# Altium PCB sinking-clock_LED-PCB.PcbDoc (part 1 of 2)
Units mil, origin at the board's own origin, x right, y up, seen from the top; angles counter-clockwise.
Board outline 6158.12 x 3267.72 mil, 2 copper layers (Top Layer, Bottom Layer), stack 61.8 mil thick; 145 components, 146 nets, 488 pads, 172 vias.
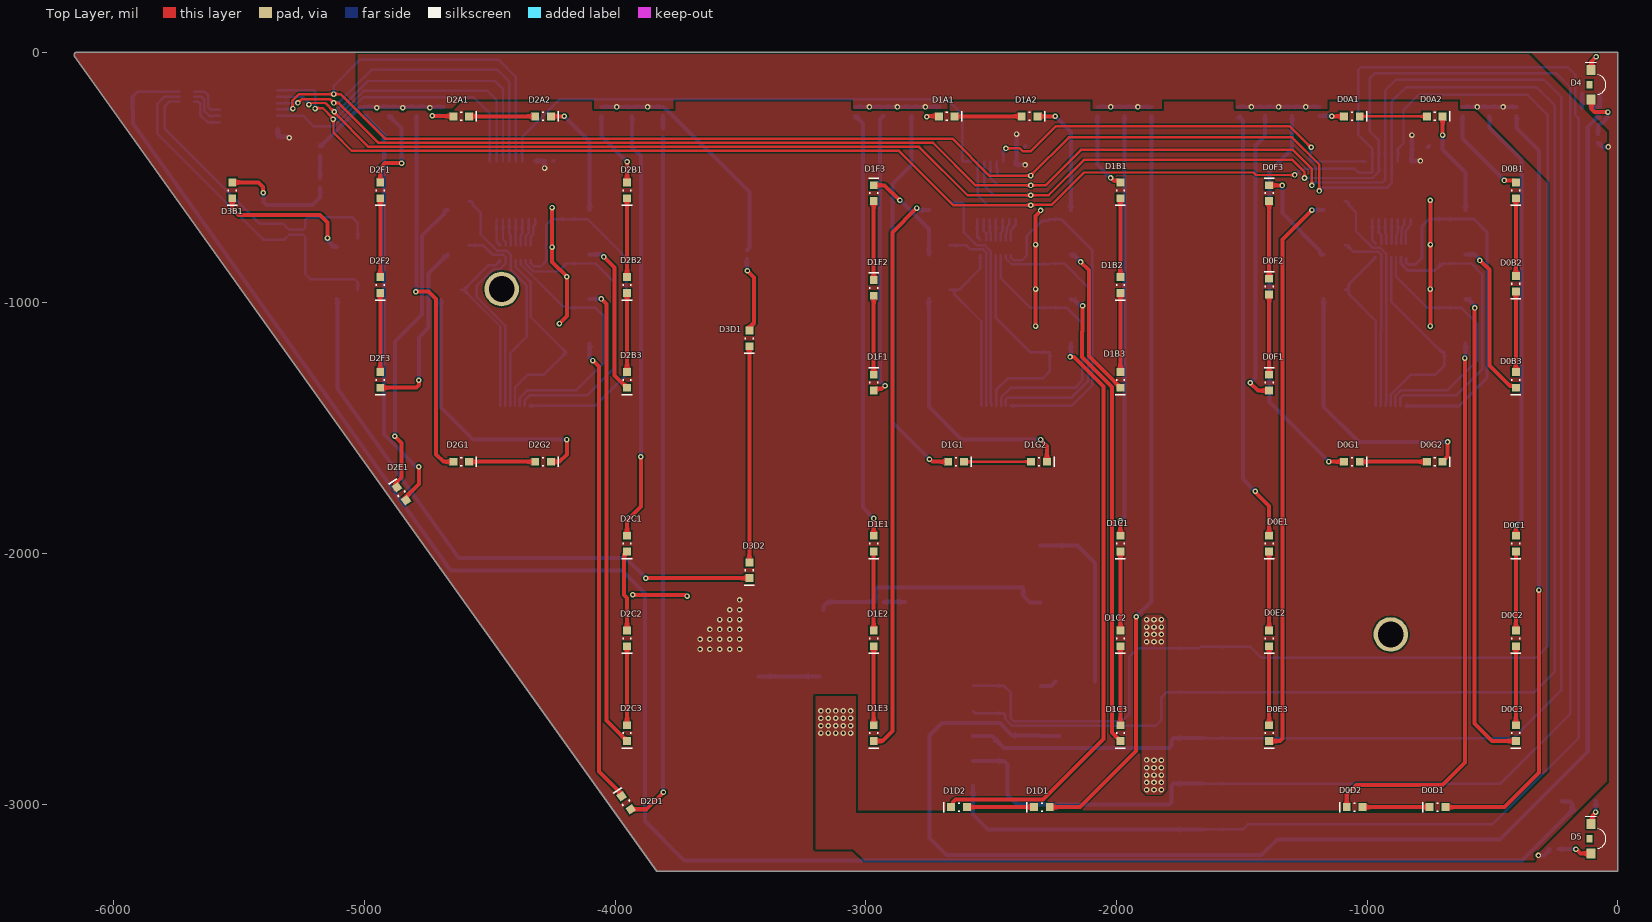
[diagram p0: Top Layer view]
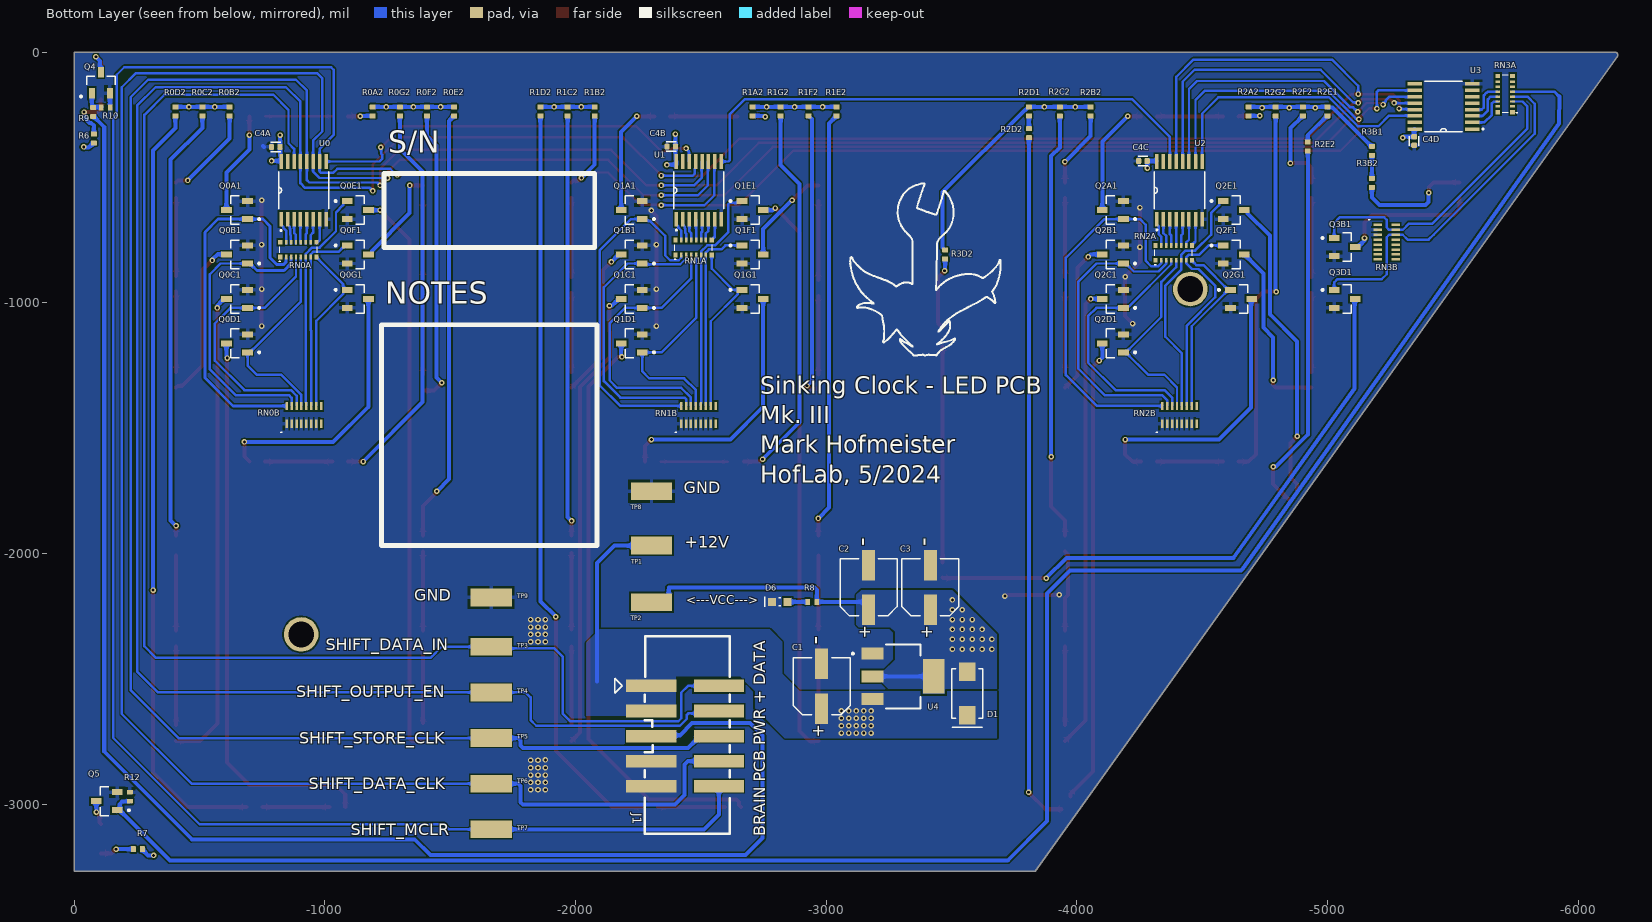
[diagram p1: Bottom Layer view, seen from below]
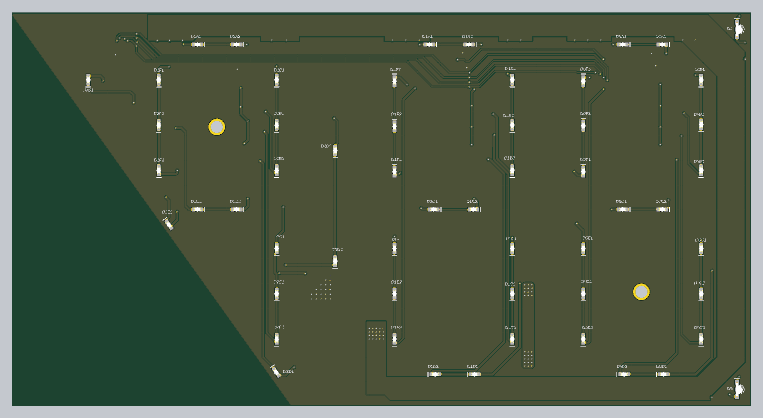
[diagram p3: 3D render of the assembled board from above, using the file's embedded part models]
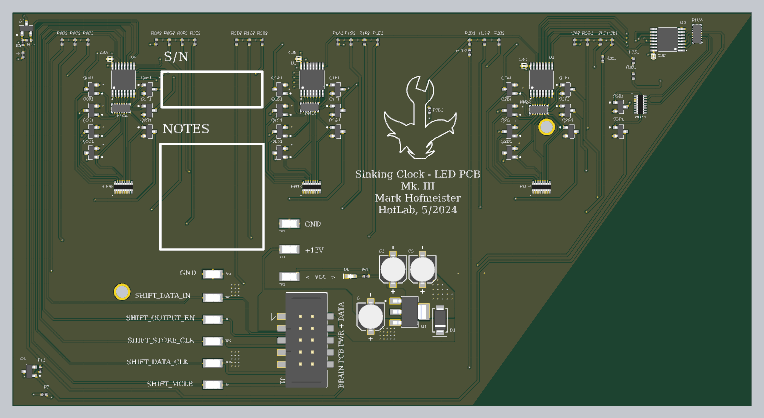
[diagram p4: 3D render of the assembled board from below, using the file's embedded part models]

## Layer stack, top to bottom
Top Solder: solder mask 0.4, Solder Resist, Dk 3.5
Top Layer: signal copper 1.4
Dielectric 1: dielectric 59, FR-4, Dk 4.8
Bottom Layer: signal copper 1.4
Bottom Solder: solder mask 0.4, Solder Resist, Dk 3.5

## Board outline
-3834.65,-3267.72 -6157.48,-15.75 cw(c-6145.67,-11.81) -6149.61,0 0,0 0,-3267.72

## Design rules (kind name [scope] priority, off if disabled: settings)
Clearance "Power Planes" [InNet('+12') vs InNet('VCC')] p1: gap=10 ignorepadtopadclearanceinfootprint=TRUE except(0: Arc-Hole Track-Hole SMDPad-Hole THPad-Hole Via-Hole Fill-Hole Poly-Hole Region-Hole Text-Hole)
Clearance [All] p2: gap=6 ignorepadtopadclearanceinfootprint=FALSE except(0: Arc-Hole Track-Hole SMDPad-Hole THPad-Hole Via-Hole Fill-Hole Poly-Hole Region-Hole Text-Hole)
HoleSize [All] p1: absolutevalues=TRUE maxlimit=106.3 minlimit=6 maxpercent=80.000 minpercent=20.000
MinimumSolderMaskSliver [All] p1: minsoldermaskwidth=0.98
PolygonConnect "Power Section Direct Connect" [InComponentClass('DirectConnect')] p1: connectstyle=Direct reliefconductorwidth=10 reliefentries=4 polygonreliefangle="90 Angle" airgapwidth=10
PolygonConnect "PWR + GND Vias" [IsVia and InNetClass('PWR') vs IsPolygon] p2: connectstyle=Direct reliefconductorwidth=10 reliefentries=4 polygonreliefangle="90 Angle" airgapwidth=10
PolygonConnect [All] p3: connectstyle=Relief reliefconductorwidth=15.75 reliefentries=4 polygonreliefangle="90 Angle" airgapwidth=10
RoomDefinition U_LED-PCB_DIG2 [InComponentClass('U_LED-PCB_DIG2')] p1: confinementstyle=ConfineIn formatcopy=TRUE lockcomponents=FALSE outline -5032.64,-284.61 -5032.64,-187.83 -3776.42,-187.83 -3776.42,-371.42 -3887.18,-371.42 -3887.18,-3071.23 -4027.73,-3071.23 -4027.73,-1838.55 -4923.91,-1838.55 -4923.91,-1379.59 -4973.58,-1379.59 -4973.58,-284.61
RoomDefinition LED-PCB_Master [InComponentClass('LED-PCB_Master')] p2: confinementstyle=ConfineIn formatcopy=TRUE lockcomponents=FALSE outline -3638.49,-2707.06 -3638.49,-2425.06 -3541.85,-2425.06 -3541.85,-1931.19 -3295.79,-1931.19 -2406.65,-1931.19 -2406.65,-1699.65 -184.21,-1699.65 -184.21,-37.64 -141.89,-37.64 -141.89,-27.4 -35.28,-27.4 -35.28,-37.64 -9.69,-37.64 -9.69,-206.46 -35.28,-206.46 -35.28,-3230.54 -141.89,-3230.54 -141.89,-3212.17 -302.52,-3212.17 -302.52,-3152.72 -1766.89,-3152.72 -1766.89,-3133.11 -2686.01,-3133.11 -2686.01,-2744.53 -3108.78,-2744.53 -3108.78,-2707.06
RoomDefinition U_LED-PCB_DIG1 [InComponentClass('U_LED-PCB_DIG1')] p3: confinementstyle=ConfineIn formatcopy=TRUE lockcomponents=FALSE outline -3073.98,-284.61 -3073.98,-187.83 -1827.6,-187.83 -1827.6,-284.61 -1947.68,-284.61 -1947.68,-2789.04 -2229.73,-2789.04 -2229.73,-3048.39 -2701.01,-3048.39 -2701.01,-2789.04 -3005.08,-2789.04 -3005.08,-1386.41 -3005.08,-284.61
RoomDefinition U_LED-PCB_DIG3 [InComponentClass('U_LED-PCB_DIG3')] p4: confinementstyle=ConfineIn formatcopy=TRUE lockcomponents=FALSE outline -5769.84,-260.77 -5769.84,-73.88 -5656.54,-73.88 -5656.54,-103.54 -5304.6,-103.54 -5304.6,-345.31 -5144.53,-345.31 -5144.53,-699.65 -4962.44,-699.65 -4962.44,-758.7 -3441.87,-758.7 -3441.87,-1073.66 -3427.99,-1073.66 -3427.99,-2139.43 -3501.14,-2139.43 -3501.14,-1062.17 -5153.31,-1062.17 -5153.31,-857.44 -5309.02,-857.44 -5309.02,-623.68 -5564.13,-623.68 -5564.13,-329.54 -5620.6,-329.54 -5620.6,-260.77
RoomDefinition U_LED-PCB_DIG0 [InComponentClass('U_LED-PCB_DIG0')] p5: confinementstyle=ConfineIn formatcopy=TRUE lockcomponents=FALSE outline -1548.39,-284.61 -1548.39,-187.83 -370.91,-187.83 -370.91,-483.11 -370.11,-483.11 -370.11,-2789.04 -651.18,-2789.04 -651.18,-3048.39 -1122.46,-3048.39 -1122.46,-2789.04 -1427.52,-2789.04 -1427.52,-1386.41 -1427.52,-284.61
RoutingVias [All] p1: holewidth=11 width=22 viastyle="Through Hole" minholewidth=8 minwidth=16 maxholewidth=28 maxwidth=50
SilkToSolderMaskClearance [IsPad] p1: minsilkscreentomaskgap=3.94 clearancetoexposedcopper=TRUE
SolderMaskExpansion [isVia] p1: expansion=4 istentingtop=TRUE
SolderMaskExpansion SolderMaskExpansion_1 [All] p2: expansion=4 istentingtop=FALSE
UnRoutedNet [All] p1: checkbadconnections=TRUE
Width [All] p1: maxlimit=50 minlimit=6 preferedwidth=16 minimp=50.000000 maximp=50.000000 favimp=50.000000
26 further rules are at their usual default settings.

## Classes and differential pairs
component class DirectConnect: C1 C2 C3 D1 D6 J1 R8 U4
net class PWR: +12 GND VCC
component class U_LED-PCB_DIG3: C4D D3B1 D3D1 D3D2 Q3B1 Q3D1 R3B1 R3B2 R3D2 RN3A RN3B U3
component class U_LED-PCB_DIG2: C4C D2A1 D2A2 D2B1 D2B2 D2B3 D2C1 D2C2 D2C3 D2D1 D2E1 D2F1 D2F2 D2F3 D2G1 D2G2 Q2A1 Q2B1 Q2C1 Q2D1 Q2E1 Q2F1 Q2G1 R2A2 R2B2 R2C2 R2D1 R2D2 R2E1 R2E2 R2F2 R2G2 RN2A RN2B U2
component class U_LED-PCB_DIG1: C4B D1A1 D1A2 D1B1 D1B2 D1B3 D1C1 D1C2 D1C3 D1D1 D1D2 D1E1 D1E2 D1E3 D1F1 D1F2 D1F3 D1G1 D1G2 Q1A1 Q1B1 Q1C1 Q1D1 Q1E1 Q1F1 Q1G1 R1A2 R1B2 R1C2 R1D2 R1E2 R1F2 R1G2 RN1A RN1B U1
component class U_LED-PCB_DIG0: C4A D0A1 D0A2 D0B1 D0B2 D0B3 D0C1 D0C2 D0C3 D0D1 D0D2 D0E1 D0E2 D0E3 D0F1 D0F2 D0F3 D0G1 D0G2 Q0A1 Q0B1 Q0C1 Q0D1 Q0E1 Q0F1 Q0G1 R0A2 R0B2 R0C2 R0D2 R0E2 R0F2 R0G2 RN0A RN0B U0
component class LED-PCB_Master: C1 C2 C3 D1 D4 D5 D6 J1 Q4 Q5 R6 R7 R8 R9 R10 R12 TP1 TP2 TP3 TP4 TP5 TP6 TP7 TP8 TP9 U4

## Components (designator, comment, footprint, x,y, rotation, side; value= is the part's Value field where it differs from the comment)
C1 "CAP" CAP_CAN_POLY -2982.28,-2529.53 r90 bottom value=10uF
C2 "CAP" CAP_CAN_POLY -3169.29,-2135.41 r90 bottom value=10uF
C3 "CAP" CAP_CAN_POLY -3415.35,-2135.41 r90 bottom value=10uF
C4A "CAP" "0402 CAP" -804.33,-377.95 r180 bottom value=1uF
C4B "CAP" "0402 CAP" -2381.89,-376.97 r180 bottom value=1uF
C4C "CAP" "0402 CAP" -4263.86,-434.1 r180 bottom value=1uF
C4D "CAP" "0402 CAP" -5345.52,-354.33 r270 bottom value=1uF
D0A1 "LED - single" "LED - 0603" -1061.22,-255.91 r0 top locked
D0A2 "LED - single" "LED - 0603" -730.51,-255.91 r0 top locked
D0B1 "LED - single" "LED - 0603" -406.69,-551.18 r270 top locked
D0B2 "LED - single" "LED - 0603" -406.69,-924.02 r270 top locked
D0B3 "LED - single" "LED - 0603" -406.69,-1307.09 r270 top locked
D0C1 "LED - single" "LED - 0603" -406.69,-1960.63 r270 top locked
D0C2 "LED - single" "LED - 0603" -406.69,-2338.58 r270 top locked
D0C3 "LED - single" "LED - 0603" -406.69,-2716.54 r270 top locked
D0D1 "LED - single" "LED - 0603" -719.25,-3011.81 r180 top locked
D0D2 "LED - single" "LED - 0603" -1049.96,-3011.81 r180 top locked
D0E1 "LED - single" "LED - 0603" -1390.94,-1960.63 r270 top locked
D0E2 "LED - single" "LED - 0603" -1390.94,-2338.58 r270 top locked
D0E3 "LED - single" "LED - 0603" -1390.94,-2716.54 r270 top locked
D0F1 "LED - single" "LED - 0603" -1390.94,-1318.34 r90 top locked
D0F2 "LED - single" "LED - 0603" -1390.94,-935.28 r90 top locked
D0F3 "LED - single" "LED - 0603" -1390.94,-562.44 r90 top locked
D0G1 "LED - single" "LED - 0603" -1061.22,-1633.86 r0 top locked
D0G2 "LED - single" "LED - 0603" -730.51,-1633.86 r0 top locked
D1 "DIODE" DO-214AC -3562.99,-2559.06 r90 bottom
D1A1 "LED - single" "LED - 0603" -2677.17,-255.91 r0 top locked
D1A2 "LED - single" "LED - 0603" -2346.46,-255.91 r0 top locked
D1B1 "LED - single" "LED - 0603" -1984.25,-551.18 r270 top locked
D1B2 "LED - single" "LED - 0603" -1984.25,-929.13 r270 top locked
D1B3 "LED - single" "LED - 0603" -1984.25,-1307.09 r270 top locked
D1C1 "LED - single" "LED - 0603" -1984.25,-1960.63 r270 top locked
D1C2 "LED - single" "LED - 0603" -1984.25,-2338.58 r270 top locked
D1C3 "LED - single" "LED - 0603" -1984.25,-2716.54 r270 top locked
D1D1 "LED - single" "LED - 0603" -2297.8,-3011.81 r180 top
D1D2 "LED - single" "LED - 0603" -2628.51,-3011.81 r180 top
D1E1 "LED - single" "LED - 0603" -2968.5,-1960.63 r270 top locked
D1E2 "LED - single" "LED - 0603" -2968.5,-2338.58 r270 top locked
D1E3 "LED - single" "LED - 0603" -2968.5,-2716.54 r270 top locked
D1F1 "LED - single" "LED - 0603" -2968.5,-1318.34 r90 top locked
D1F2 "LED - single" "LED - 0603" -2968.5,-940.39 r90 top locked
D1F3 "LED - single" "LED - 0603" -2968.5,-562.44 r90 top locked
D1G1 "LED - single" "LED - 0603" -2639.76,-1633.86 r0 top
D1G2 "LED - single" "LED - 0603" -2309.06,-1633.86 r0 top
D2A1 "LED - single" "LED - 0603" -4614.17,-255.91 r0 top
D2A2 "LED - single" "LED - 0603" -4287.4,-255.91 r0 top
D2B1 "LED - single" "LED - 0603" -3952.76,-551.19 r270 top locked
D2B2 "LED - single" "LED - 0603" -3952.76,-929.13 r270 top locked
D2B3 "LED - single" "LED - 0603" -3952.76,-1307.09 r270 top locked
D2C1 "LED - single" "LED - 0603" -3952.76,-1960.63 r270 top locked
D2C2 "LED - single" "LED - 0603" -3952.76,-2338.58 r270 top locked
D2C3 "LED - single" "LED - 0603" -3952.76,-2716.54 r270 top locked
D2D1 "LED - single" "LED - 0603" -3956.18,-2994.49 r125 top
D2E1 "LED - single" "LED - 0603" -4852.36,-1761.81 r125 top
D2F1 "LED - single" "LED - 0603" -4937.01,-551.18 r270 top
D2F2 "LED - single" "LED - 0603" -4937.01,-929.13 r270 top
D2F3 "LED - single" "LED - 0603" -4937.01,-1307.09 r270 top
D2G1 "LED - single" "LED - 0603" -4614.17,-1633.86 r0 top
D2G2 "LED - single" "LED - 0603" -4287.4,-1633.86 r0 top
D3B1 "LED - single" "LED - 0603" -5527.56,-551.18 r270 top
D3D1 "LED - single" "LED - 0603" -3464.57,-1141.73 r270 top locked
D3D2 "LED - single" "LED - 0603" -3464.57,-2066.93 r270 top locked
D4 "LED - single" "LED - 1204 RA" -86.61,-129.92 r270 top
D5 "LED - single" "LED - 1204 RA" -86.61,-3137.8 r270 top
D6 "LED - single" "LED - 0603" -2814.96,-2192.91 r0 bottom
J1 "5x2, 0.1' pitch SMT header" "5x2, 0.1' pitch SMT header" -2437.01,-2728.35 r270 bottom
Q0A1 "NMOS" SOT-23 -649.61,-629.92 r0 bottom
Q0B1 "NMOS" SOT-23 -649.61,-807.09 r0 bottom
Q0C1 "NMOS" SOT-23 -649.61,-984.25 r0 bottom
Q0D1 "NMOS" SOT-23 -649.61,-1161.42 r0 bottom
Q0E1 "NMOS" SOT-23 -1131.89,-629.92 r180 bottom
Q0F1 "NMOS" SOT-23 -1131.89,-807.09 r180 bottom
Q0G1 "NMOS" SOT-23 -1131.89,-984.25 r180 bottom
Q1A1 "NMOS" SOT-23 -2224.41,-629.92 r0 bottom
Q1B1 "NMOS" SOT-23 -2224.41,-807.09 r0 bottom
Q1C1 "NMOS" SOT-23 -2224.41,-984.25 r0 bottom
Q1D1 "NMOS" SOT-23 -2224.41,-1161.42 r0 bottom
Q1E1 "NMOS" SOT-23 -2706.69,-629.92 r180 bottom
Q1F1 "NMOS" SOT-23 -2706.69,-807.09 r180 bottom
Q1G1 "NMOS" SOT-23 -2706.69,-984.25 r180 bottom
Q2A1 "NMOS" SOT-23 -4143.7,-629.92 r0 bottom
Q2B1 "NMOS" SOT-23 -4143.7,-807.09 r0 bottom
Q2C1 "NMOS" SOT-23 -4143.7,-984.25 r0 bottom
Q2D1 "NMOS" SOT-23 -4143.7,-1161.42 r0 bottom
Q2E1 "NMOS" SOT-23 -4625.98,-629.92 r180 bottom
Q2F1 "NMOS" SOT-23 -4625.98,-807.09 r180 bottom
Q2G1 "NMOS" SOT-23 -4655.51,-984.25 r180 bottom
Q3B1 "NMOS" SOT-23 -5068.9,-777.56 r180 bottom
Q3D1 "NMOS" SOT-23 -5068.9,-984.25 r180 bottom
Q4 "NMOS" SOT-23 -106.3,-122.05 r90 bottom
Q5 "NMOS" SOT-23 -129.92,-2988.19 r0 bottom
R0A2 "RES" "0402 RES" -1190.94,-236.22 r90 bottom value=330
R0B2 "RES" "0402 RES" -620.08,-236.22 r90 bottom value=240
R0C2 "RES" "0402 RES" -511.81,-236.22 r90 bottom value=240
R0D2 "RES" "0402 RES" -403.54,-236.22 r90 bottom value=330
R0E2 "RES" "0402 RES" -1515.75,-236.22 r90 bottom value=240
R0F2 "RES" "0402 RES" -1407.48,-236.22 r90 bottom value=240
R0G2 "RES" "0402 RES" -1299.21,-236.22 r90 bottom value=330
R1A2 "RES" "0402 RES" -2706.69,-236.22 r90 bottom value=330
R1B2 "RES" "0402 RES" -2076.77,-236.22 r90 bottom value=240
R1C2 "RES" "0402 RES" -1968.5,-236.22 r90 bottom value=240
R1D2 "RES" "0402 RES" -1860.24,-236.22 r90 bottom value=330
R1E2 "RES" "0402 RES" -3041.34,-236.22 r90 bottom value=240
R1F2 "RES" "0402 RES" -2929.79,-236.22 r90 bottom value=240
R1G2 "RES" "0402 RES" -2818.24,-236.22 r90 bottom value=330
R2A2 "RES" "0402 RES" -4685.04,-236.22 r90 bottom value=330
R2B2 "RES" "0402 RES" -4055.12,-236.22 r90 bottom value=240
R2C2 "RES" "0402 RES" -3932.09,-236.22 r90 bottom value=240
R2D1 "RES" "0402 RES" -3809.06,-236.22 r90 bottom value=330
R2D2 "RES" "0402 RES" -3809.06,-323.03 r90 bottom value=56
R2E1 "RES" "0402 RES" -5000,-236.22 r90 bottom value=330
R2E2 "RES" "0402 RES" -4921.26,-375.79 r90 bottom value=56
R2F2 "RES" "0402 RES" -4901.57,-236.22 r90 bottom value=240
R2G2 "RES" "0402 RES" -4793.31,-236.22 r90 bottom value=330
R3B1 "RES" "0402 RES" -5177.17,-393.7 r90 bottom value=330
R3B2 "RES" "0402 RES" -5177.17,-521.65 r90 bottom value=56
R3D2 "RES" "0402 RES" -3474.51,-807.09 r90 bottom value=330
R6 "RES" "0402 RES" -78.74,-344.49 r90 bottom value=56
R7 "RES" "0402 RES" -254.13,-3179.53 r0 bottom value=56
R8 "RES" "0402 RES" -2944.68,-2192.91 r180 bottom value=330
R9 "RES" 0402R -75.94,-238.35 r90 bottom value=330
R10 "RES" 0402R -125.98,-220.47 r0 bottom value=10k
R12 "RES" 0402R -221.9,-2970.28 r270 bottom value=10k
RN0A "8 res Array" EXB2HV331JV -894.77,-787.8 r180 bottom value=330
RN0B "8.2k - all" MNR18ERAPJ822 -916.59,-1446.85 r90 bottom
RN1A "8 res Array" EXB2HV331JV -2471.25,-779.61 r180 bottom value=330
RN1B "8.2k - all" MNR18ERAPJ822 -2490.16,-1446.85 r90 bottom
RN2A "8 res Array" EXB2HV331JV -4386.61,-800.59 r180 bottom value=330
RN2B "8.2k - all" MNR18ERAPJ822 -4409.45,-1446.85 r90 bottom
RN3A "8 res Array" EXB2HV331JV -5708.66,-167.32 r90 bottom value=330
RN3B "8.2k - all" MNR18ERAPJ822 -5236.22,-757.87 r180 bottom
TP1 "RCWCTE" RCWCTE -2303.15,-1968.5 r180 bottom
TP2 "RCWCTE" RCWCTE -2303.15,-2194.88 r180 bottom
TP3 "RCWCTE" RCWCTE -1663.39,-2372.05 r180 bottom
TP4 "RCWCTE" RCWCTE -1663.39,-2554.13 r180 bottom
TP5 "RCWCTE" RCWCTE -1663.39,-2736.22 r180 bottom
TP6 "RCWCTE" RCWCTE -1663.39,-2918.31 r180 bottom
TP7 "RCWCTE" RCWCTE -1663.39,-3100.39 r180 bottom
TP8 "RCWCTE" RCWCTE -2303.15,-1751.97 r180 bottom
TP9 "RCWCTE" RCWCTE -1663.39,-2175.2 r180 bottom
U0 "74HC595PW,118" 16-TSSOP -915.35,-551.18 r90 bottom
U1 "74HC595PW,118" 16-TSSOP -2492.13,-551.18 r90 bottom
U2 "74HC595PW,118" 16-TSSOP -4409.45,-551.18 r90 bottom
U3 "74HC595PW,118" 16-TSSOP -5462.6,-216.54 r0 bottom
U4 "AZ1117IH-3.3TRG1" SOT-223-3 -3307.09,-2490.16 r180 bottom

## Footprints (in the part's own frame and the unit in brackets; to place one, negate y for a bottom-side part, rotate by r counter-clockwise, add the part's x,y. Pads: shape width x height; smd on the part's side, far side on the other; paste and mask are expansions set on the pad)
"5x2, 0.1' pitch SMT header" [mil] "CONN HEADER SMD 10POS 2.54MM"
  rect 50x200 smd: 1(-200,-135) 2(-200,135) 3(-100,-135) 4(-100,135) 5(0,-135) 6(0,135) 7(100,-135) 8(100,135) 9(200,-135) 10(200,135)
  silkscreen extent -398,-280 390,178, body extent -396,-165 394,180, height 496
16-TSSOP [mil]
  rect 58x14 smd: 1(-115,90) 2(-115,64) 3(-115,38) 4(-115,13) 5(-115,-13) 6(-115,-38) 7(-115,-64) 8(-115,-90) 9(115,-90) 10(115,-64) 11(115,-38) 12(115,-13) 13(115,13) 14(115,38) 15(115,64) 16(115,90)
  silkscreen extent -74,-100 74,100, body extent -126,-98 126,98, height 43
"0402 CAP" [mm] "0402 SMT Capacitor"
  rrect53% 0.54x0.6 smd: 1(-0.43,0) 2(0.43,0)
  silkscreen extent -0.5,-0.48 0.5,0.48, body extent -0.5,-0.25 0.5,0.25, height 0.5
"0402 RES" [mm] "0402 SMT Resistor"
  rrect20% 0.49x0.6 smd: 1(-0.455,0) 2(0.455,0)
  body extent -0.75,-0.25 0.75,0.25, height 0.35
0402R [mm] "0402 SMT Resistor"
  rrect20% 0.49x0.6 smd: 1(-0.455,0) 2(0.455,0)
  body extent -0.75,-0.25 0.75,0.25, height 0.35
CAP_CAN_POLY [mil]
  rect 122x52 smd paste+0 mask+4: 1(-89,0) 2(89,0)
  silkscreen extent -114,-114 114,114, body extent -122,-109 122,109, height 219
DO-214AC [mil]
  rect 74x66 smd paste+0 mask+0: A(87,0) K(-87,0)
  silkscreen extent -135,-63 98,63, body extent -102,-51 102,51, height 96
EXB2HV331JV [mm] "330 Res Array"
  rect 0.425x0.5 smd mask+0.102: 1(-1.837,-0.75) 8(1.837,-0.75) 9(1.837,0.75) 16(-1.837,0.75)
  rect 0.25x0.5 smd mask+0.102: 2(-1.25,-0.75) 3(-0.75,-0.75) 4(-0.25,-0.75) 5(0.25,-0.75) 6(0.75,-0.75) 7(1.25,-0.75) 10(1.25,0.75) 11(0.75,0.75) 12(0.25,0.75) 13(-0.25,0.75) 14(-0.75,0.75) 15(-1.25,0.75)
  silkscreen extent -1.92,-1.25 1.9,0.3, body extent -2.01,-0.97 2.01,0.98, height 0.65
"LED - 0603" [mm]
  rect 0.8x0.8 smd: 1(-0.8,0) 2(0.8,0)
  silkscreen extent -0.08,-0.51 1.52,0.51, body extent -0.8,-0.35 0.8,0.35, height 0.7
"LED - 1204 RA" [mm] "SMD Mono-color Side view Waterclear, body 3.2x1.5mm"
  rect 1x0.9 smd: 1(1.5,-0.52) 2(-1.5,-0.52)
  rect 0.8x0.6 smd: M1(0,-0.67)
  silkscreen extent -2.3,-1.1 0.99,1, body extent -1.6,-0.77 1.6,0.71, height 1
MNR18ERAPJ822 [mm] "Chip Array, Concave, 16-Leads, Pitch 0.50mm,  Body 4.00x1.60mm,  IPC Medium Density"
  rect 0.85x0.25 smd mask+0.06: 1(-0.9,1.75) 2(-0.9,1.25) 3(-0.9,0.75) 4(-0.9,0.25) 5(-0.9,-0.25) 6(-0.9,-0.75) 7(-0.9,-1.25) 8(-0.9,-1.75) 9(0.9,-1.75) 10(0.9,-1.25) 11(0.9,-0.75) 12(0.9,-0.25) 13(0.9,0.25) 14(0.9,0.75) 15(0.9,1.25) 16(0.9,1.75)
  silkscreen extent -1.83,2.24 -1.73,2.34, body extent -0.85,-2 0.85,2, height 0.6
RCWCTE [mm]
  rect 4.2x1.8 smd: 1(0,0)
  body extent -1.6,-0.8 1.6,0.8, height 2.01
SOT-23 [mm]
  rect 1.09x0.61 smd: 1(-1.07,0.915) 2(-1.07,-0.915) 3(1.07,0)
  silkscreen extent -2.35,-1.45 0.65,1.45, body extent -1.2,-1.45 1.2,1.45, height 1.2
SOT-223-3 [mm]
  rect 2.2x1.2 smd: 1(-3.1,2.3) 2(-3.1,0) 3(-3.1,-2.3)
  rect 2.2x3.5 smd: 4(3.1,0)
  silkscreen extent -5.2,-3.25 1.75,3.25, body extent -3.5,-3.25 3.5,3.25, height 1.65

## Part data
C1 C2 C3: library part "CAP - POLARIZED", "Capacitor", MFR="Würth Elektronik", MFR PN=865080642006, ClassName=DirectConnect, Type=SMD
C4A: "Capaicitor", MFR="Samsung Electro-Mechanics", MFR PN=CL05A105KP5NNNC
C4B C4C C4D: "Capaicitor", MFR="Samsung Microelectronics", MFR PN=CL05A105KP5NNNC
D0A1 D0A2 D0B1 D0B2 D0B3 D0C1 D0C2 D0C3 D0D1 D0D2 D0E1 D0E2 D0E3 D0F1 D0F2 D0F3 D0G1 D0G2 D1A1 D1A2 D1B1 D1B2 D1B3 D1C1 D1C2 D1C3 D1D1 D1D2 D1E1 D1E2 D1E3 D1F1 D1F2 D1F3 D1G1 D1G2 D2A1 D2A2 D2B1 D2B2 D2B3 D2C1 D2C2 D2C3 D2D1 D2E1 D2F1 D2F2 D2F3 D2G1 D2G2 D3B1 D3D1 D3D2: Color=Red, MFR="Wurth Elektronik", MFR PN=150060RS75000
D1: "DIODE GEN PURP", MFR="Micro Commercial Co", MFR PN=GS1M-LTP, ClassName=DirectConnect, Type=SMD
D4 D5: "LED", Color=Red, MFR="Würth Elektronik", MFR PN=155124RS73200, Notes="Right-Angle Sideways Mount", Type=SMD
D6: Color=Green, MFR=Dialight, MFR PN=5988070107F, ClassName=DirectConnect
J1: "CONN HEADER SMD 10POS 2.54MM", MFR="CNC Tech", MFR PN=3020-10-0300-00, ClassName=DirectConnect
Q0A1 Q0B1 Q0C1 Q0D1 Q0E1 Q0F1 Q0G1 Q1A1 Q1B1 Q1C1 Q1D1 Q1E1 Q1F1 Q1G1 Q2A1 Q2B1 Q2C1 Q2D1 Q2E1 Q2F1 Q2G1 Q3B1 Q3D1 Q4 Q5: "N-Channel MOSFET", MFR="Diodes Incorporated", MFR PN=DMN63D8L-7
R0A2 R0D2 R0G2 R1A2 R1D2 R1G2 R2A2 R2D1 R2E1 R2G2 R3B1 R3D2 R8 R9: "Resistor", MFR=YAGEO, MFR PN=RC0402JR-13330RL
  R8: ClassName=DirectConnect
R0B2 R0C2 R0E2 R0F2 R1B2 R1C2 R1E2 R1F2 R2B2 R2C2 R2F2: "Resistor", MFR=YAGEO, MFR PN=RC0402FR-07240RL
R2D2 R2E2 R3B2 R6 R7: "Resistor", MFR=YAGEO, MFR PN=RC0402FR-0756RL
R10 R12: "Resistor", MFR=YAGEO, MFR PN=RC0402JR-0710KL
RN0A: MFR="Panasonic Electronic Components", MFR PN=EXB-2HV331JV, ComponentLink1Description="New link", ComponentLink2Description="New link 1"
RN0B RN1B RN2B RN3B: library part MNR18ERAPJ822, "8.2k Ohm ±5% 62.5mW Power Per Element Isolated 8 Resistor Network/Array ±250ppm/°C 1606, Convex, Long Side Terminals", MFR="Rohm Semiconductor", MFR PN=MNR18ERAPJ822
RN1A RN2A RN3A: MFR="Panasonic Microelectronics", MFR PN=EXB-2HV331JV, ComponentLink1Description="New link", ComponentLink2Description="New link 1"
TP1 TP2 TP3 TP4 TP5 TP6 TP7 TP8 TP9: library part "Test Point", MFR="KOA Speer Electronics, Inc.", MFR PN=RCWCTE
U0: "Shift Shift Register 1 Element 8 Bit 16-TSSOP", MFR="Nexperia USA", MFR PN=74HC595PW,118
U1 U2 U3: "Shift Shift Register 1 Element 8 Bit 16-TSSOP", MFR PN=74HC595PW,118
U4: "IC REG LINEAR 3.3V 1A SOT223", MFR="Diodes Incorporated", ClassName=DirectConnect, MFR PN=AZ1117IH-3.3TRG1

## Free pads (board coordinates)
  round 137.8 hole 102.36: 1(-4452.76,-944.88) 2(-905.51,-2322.83)

## Via types
v1: diameter 22, hole 11, Top Layer to Bottom Layer, tented both sides, 172 vias

## Nets (pads, with @x,y where several pads share a name; then routed paths per layer and width w, separated by ;. In a path a pad name is that pad's centre, name@x,y a point inside that pad or via, vN(x,y) a via of type N, cw(c..) or ccw(c..) an arc to the next point about the centre after c; other vN are vias at no path point)
+12: C1.1 D1.K J1.1 J1.3 R0A2.2 R0B2.2 R0C2.2 R0D2.2 R0E2.2 R0F2.2 R0G2.2 R1A2.2 R1B2.2 R1C2.2 R1D2.2 R1E2.2 R1F2.2 R1G2.2 R2A2.2 R2B2.2 R2C2.2 R2D1.2 R2E1.2 R2F2.2 R2G2.2 R3B1.2 R3D2.2 TP1.1 U4.3 | length 3405.1
  Bottom Layer w16: R3B1.2@-5177.17,-375.79 -5175.52,-374.14 -5173.35,-374.14 -5019.17,-219.95 -5001.65,-219.95 R2E1.2@-5000,-218.31 -4955.41,-218.31 -4952.41,-221.31 v1(-4950.79,-221.31) ; v1@-4950.79,-218.31 R2F2.2@-4901.57,-218.31 -4852.06,-218.31 -4849.06,-221.31 v1(-4847.44,-221.31) ; v1@-4847.44,-218.31 R2G2.2@-4793.31,-218.31 -4743.8,-218.31 -4740.8,-221.31 v1(-4739.17,-221.31) ; v1@-4739.17,-218.31 R2A2.2@-4685.04,-218.31 ; R2B2.2@-4055.12,-218.31 v1(-3993.6,-218.31) R2C2.2@-3932.09,-218.31 v1(-3870.57,-218.31) R2D1.2@-3809.06,-218.31 -3806.89,-218.31 -3794.71,-230.49 -3792.58,-230.49 -3464.57,-558.5 -3464.57,-779.23 -3470.7,-785.36 -3470.7,-787.53 -3472.35,-789.17 R3D2.2@-3474.51,-789.17 ; R1E2.2@-3041.34,-218.31 v1(-2985.56,-218.31) R1F2.2@-2929.79,-218.31 v1(-2874.02,-218.31) R1G2.2@-2818.24,-218.31 v1(-2762.47,-218.31) R1A2.2@-2706.69,-218.31 ; TP1.1@-2303.15,-1968.5 -2155.51,-1968.5 -2086.61,-2037.4 -2086.61,-2511.35 ; J1.1@-2302.01,-2528.35 -2261.09,-2528.35 J1.1@-2244.09,-2511.35 ; R1B2.2@-2076.77,-218.31 v1(-2022.64,-218.31) R1C2.2@-1968.5,-218.31 v1(-1914.37,-218.31) R1D2.2@-1860.24,-218.31 ; R0E2.2@-1515.75,-218.31 v1(-1461.61,-218.31) R0F2.2@-1407.48,-218.31 v1(-1353.35,-218.31) R0G2.2@-1299.21,-218.31 v1(-1245.08,-218.31) R0A2.2@-1190.94,-218.31 ; R0B2.2@-620.08,-218.31 v1(-561.02,-218.31) R0C2.2@-511.81,-218.31 v1(-457.68,-218.31) R0D2.2@-403.54,-218.31
  other v1: -3179.13,-2716.54 -3149.61,-2716.54 -3120.08,-2716.54 -3090.55,-2716.54 -3061.02,-2716.54 -3179.13,-2687.01 -3149.61,-2687.01 -3120.08,-2687.01 -3090.55,-2687.01 -3061.02,-2687.01 -3179.13,-2657.48 -3149.61,-2657.48 -3120.08,-2657.48 -3090.55,-2657.48 -3061.02,-2657.48 -3179.13,-2627.95 -3149.61,-2627.95 -3120.08,-2627.95 -3090.55,-2627.95 -3061.02,-2627.95
Alarm_LED: J1.5 R9.1 | length 6347.5
  Bottom Layer w16: J1.5@-2227.01,-2728.35 J1.5@-2302.01,-2728.35 -2304.96,-2725.39 -2416.63,-2725.39 -2464.86,-2677.17 -2696.85,-2677.17 -2746.06,-2726.38 -2746.06,-3135.38 -2679.04,-3202.41 -1420.91,-3202.41 -1358.5,-3140 -470,-3140 -120,-2790 -120,-298.16 -78.11,-256.27 R9.1@-75.94,-256.27
AM/PM_LED: Q5.1 R12.2 RN3A.5 | length 8139.2
  Bottom Layer w10: -5925.2,-177.17 -5905.51,-157.48 RN3A.5@-5738.19,-157.48
  Bottom Layer w15.98: -5925.2,-177.17 -5923.71,-279.65 -5923.64,-284.62 -4661.52,-2061.3 -4655.89,-2066.93 -4649.27,-2066.93 -3973.07,-2066.93 -3881.33,-2158.67 -3881.33,-3067.48 -3724.41,-3224.41 -381.69,-3224.41 -181.5,-3024.21 Q5.1@-178.42,-3024.21 ; R12.2@-221.9,-2988.19 -220.26,-2989.83 -191.8,-2989.83 -182.44,-2999.2 -182.44,-3020.2 Q5.1@-178.42,-3024.21 ; Q5.1@-172.05,-3024.21 Q5.1@-178.42,-3024.21
DIG0_SEGA: Q0A1.1 RN0A.2 RN0B.16 | length 1465.8
  Bottom Layer w12: RN0B.16@-847.69,-1411.42 -633.86,-1411.42 -521.65,-1299.21 -521.65,-718.5 -574.21,-665.94 Q0A1.1@-691.73,-665.94 -753.03,-665.94 -780.51,-693.43 -780.51,-819.29 -807.99,-846.77 -836.32,-846.77 -844.52,-838.57 -844.52,-823.67 RN0A.2@-845.27,-822.93
DIG0_SEGB: Q0B1.1 RN0A.3 RN0B.15 | length 1175.8
  Bottom Layer w9.84: RN0B.15@-867.38,-1411.42 -867.38,-1379.19 -856.3,-1368.11 -643.7,-1368.11 -541.34,-1265.75 -541.34,-885.83 -584.05,-843.11 Q0B1.1@-691.73,-843.11
  Bottom Layer w12.01: RN0A.3@-865.24,-817.33 -864.16,-818.41 -864.16,-844.4 -837.56,-871 -729.07,-871 -701.18,-843.11 Q0B1.1@-691.73,-843.11
DIG0_SEGC: Q0C1.1 RN0A.4 RN0B.14 | length 1051.9
  Bottom Layer w9.84: RN0B.14@-887.06,-1411.42 -887.06,-1370.83 -864.66,-1348.43 -679.13,-1348.43 -561.02,-1230.32 -561.02,-1082.68 -623.43,-1020.28 Q0C1.1@-691.73,-1020.28 -759.93,-1020.28 -884.92,-895.28 RN0A.4@-884.92,-817.33
DIG0_SEGD: Q0D1.1 RN0A.5 RN0B.13 | length 833.9
  Bottom Layer w9.84: RN0B.13@-906.75,-1411.42 -906.75,-1368.11 -824.96,-1286.32 -727.66,-1286.32 -691.73,-1250.39 Q0D1.1@-691.73,-1197.44 -701.18,-1197.44 -904.61,-994.01 RN0A.5@-904.61,-817.33
DIG0_SEGE: Q0E1.1 RN0A.6 RN0B.12 | length 910.4
  Bottom Layer w9.84: Q0E1.1@-1089.76,-593.9 -1080.31,-593.9 -1073.23,-600.98 -1073.23,-610.43 -1044.6,-639.06 -1044.6,-714.42 -979.3,-779.72 -948.64,-779.72 -924.29,-804.06 RN0A.6@-924.29,-817.33 -924.29,-1397.47 -926.43,-1399.61 RN0B.12@-926.43,-1411.42
DIG0_SEGF: Q0F1.1 RN0A.7 RN0B.11 | length 766.1
  Bottom Layer w9.84: Q0F1.1@-1089.76,-771.06 -1080.31,-771.06 -1055.82,-795.56 -955.2,-795.56 -943.98,-806.78 RN0A.7@-943.98,-817.33 -943.98,-1109.86 -946.12,-1112 RN0B.11@-946.12,-1411.42
DIG0_SEGG: Q0G1.1 RN0A.8 RN0B.10 | length 697.9
  Bottom Layer w9.84: Q0G1.1@-1089.76,-948.23 Q0G1.1@-1080.31,-948.23 ; RN0A.8@-967.09,-817.33 -967.09,-818.8 -1073.23,-924.94 -1073.23,-941.14 Q0G1.1@-1080.31,-948.23 ; RN0B.10@-965.8,-1411.42 -965.8,-1072.19 -1073.23,-964.76 -1073.23,-955.32 Q0G1.1@-1080.31,-948.23
DIG1_SEGA: Q1A1.1 RN1A.2 RN1B.16 | length 1402.5
  Bottom Layer w9.84: RN1A.2@-2422.04,-809.14 -2422.04,-819.68 -2411.82,-829.9 -2377.15,-829.9 -2358.07,-810.82 -2358.07,-733.15 -2297.95,-673.03 -2273.62,-673.03 Q1A1.1@-2266.54,-665.94 -2221.26,-665.94 -2096.46,-790.75 -2096.46,-1328.74 -2179.13,-1411.42 RN1B.16@-2421.26,-1411.42
DIG1_SEGB: Q1B1.1 RN1A.3 RN1B.15 | length 1151.2
  Bottom Layer w9.84: RN1A.3@-2441.72,-809.14 -2441.72,-822.4 -2417.88,-846.24 -2269.67,-846.24 Q1B1.1@-2266.54,-843.11 -2208.07,-843.11 -2113.49,-937.69 -2113.49,-1312.31 -2179.13,-1377.95 -2435.18,-1377.95 -2440.94,-1383.72 RN1B.15@-2440.94,-1411.42
DIG1_SEGC: Q1C1.1 RN1A.4 RN1B.14 | length 1106.7
  Bottom Layer w9.84: RN1A.4@-2461.41,-809.14 -2461.41,-902.36 -2343.49,-1020.28 Q1C1.1@-2266.54,-1020.28 -2198.23,-1020.28 -2135.83,-1082.68 -2135.83,-1309.06 -2166.03,-1339.26 -2421.94,-1339.26 -2460.63,-1377.95 RN1B.14@-2460.63,-1411.42
DIG1_SEGD: Q1D1.1 RN1A.5 RN1B.13 | length 906.3
  Bottom Layer w9.84: RN1A.5@-2481.09,-809.14 -2481.09,-1059.84 -2343.49,-1197.44 Q1D1.1@-2266.54,-1197.44 -2266.54,-1273.8 -2294.01,-1301.27 -2433.16,-1301.27 -2480.31,-1348.43 RN1B.13@-2480.31,-1411.42
DIG1_SEGE: Q1E1.1 RN1A.6 RN1B.12 | length 928
  Bottom Layer w9.84: Q1E1.1@-2664.57,-593.9 -2657.48,-600.98 -2615.87,-600.98 -2610.11,-606.75 -2610.11,-717.2 -2556.46,-770.85 -2525.81,-770.85 -2500.78,-795.88 RN1A.6@-2500.78,-809.14 -2500.78,-1398.83 -2500,-1399.61 RN1B.12@-2500,-1411.42
DIG1_SEGF: Q1F1.1 RN1A.7 RN1B.11 | length 768.7
  Bottom Layer w9.84: Q1F1.1@-2664.57,-771.06 -2598.01,-771.06 -2582.39,-786.69 -2532.37,-786.69 -2520.46,-798.6 RN1A.7@-2520.46,-809.14 -2520.46,-814.06 -2519.69,-814.84 RN1B.11@-2519.69,-1411.42
DIG1_SEGG: Q1G1.1 RN1A.8 RN1B.10 | length 721.7
  Bottom Layer w9.84: Q1G1.1@-2664.57,-948.23 Q1G1.1@-2655.12,-948.23 ; RN1A.8@-2543.57,-809.14 -2543.57,-863.69 -2628.11,-948.23 Q1G1.1@-2655.12,-948.23 ; RN1B.10@-2539.37,-1411.42 -2539.37,-1073.43 -2648.03,-964.76 -2648.03,-955.32 Q1G1.1@-2655.12,-948.23
DIG2_SEGA: Q2A1.1 RN2A.2 RN2B.16 | length 1525.7
  Bottom Layer w9.84: RN2B.16@-4340.55,-1411.42 -4080.03,-1411.42 -3956.69,-1288.08 -3956.69,-820.28 -4111.02,-665.94 Q2A1.1@-4185.83,-665.94 -4251.73,-665.94 -4274.36,-688.57 -4274.36,-831.85 -4297.03,-854.52 -4323.53,-854.52 -4337.39,-840.66 RN2A.2@-4337.39,-830.12
DIG2_SEGB: Q2B1.1 RN2A.3 RN2B.15 | length 1198.1
  Bottom Layer w9.84: RN2B.15@-4360.24,-1411.42 -4360.24,-1387.8 -4340.55,-1368.11 -4110.85,-1368.11 -4005.91,-1263.16 -4005.91,-915.35 -4078.15,-843.11 Q2B1.1@-4185.83,-843.11 -4195.28,-843.11 -4227.18,-875.01 -4325.45,-875.01 -4357.08,-843.38 RN2A.3@-4357.08,-830.12
DIG2_SEGC: Q2C1.1 RN2A.4 RN2B.14 | length 1044.8
  Bottom Layer w9.84: RN2B.14@-4379.92,-1411.42 -4379.92,-1377.95 -4350.39,-1348.43 -4154.57,-1348.43 -4045.28,-1239.13 -4045.28,-1053.15 -4078.15,-1020.28 Q2C1.1@-4185.83,-1020.28 -4192.91,-1013.19 -4209.68,-1013.19 -4376.76,-846.1 RN2A.4@-4376.76,-830.12
DIG2_SEGD: Q2D1.1 RN2A.5 RN2B.13 | length 787
  Bottom Layer w9.84: RN2B.13@-4399.61,-1411.42 -4399.61,-1337.29 -4348.64,-1286.32 -4284.15,-1286.32 -4195.28,-1197.44 -4337.39,-1055.32 -4337.39,-916.62 -4348.82,-905.19 -4396.45,-857.57 RN2A.5@-4396.45,-830.12
DIG2_SEGE: Q2E1.1 RN2A.6 RN2B.12 | length 968.2
  Bottom Layer w9.84: Q2E1.1@-4583.86,-593.9 -4574.41,-593.9 -4567.32,-600.98 -4567.32,-610.43 -4535.43,-642.32 -4535.43,-728.21 -4471.82,-791.83 -4433.81,-791.83 -4416.13,-809.5 RN2A.6@-4416.13,-830.12 -4416.13,-868.62 -4353.24,-931.52 -4353.24,-1135.38 -4419.29,-1201.43 RN2B.12@-4419.29,-1411.42
DIG2_SEGF: Q2F1.1 RN2A.7 RN2B.11 | length 869.8
  Bottom Layer w9.84: Q2F1.1@-4583.86,-771.06 -4525.83,-771.06 -4489.22,-807.67 -4447.72,-807.67 -4435.82,-819.57 RN2A.7@-4435.82,-830.12 -4435.82,-840.66 -4460.22,-865.06 -4485.82,-865.06 -4551.89,-931.13 -4551.89,-977.88 -4438.98,-1090.78 RN2B.11@-4438.98,-1411.42
DIG2_SEGG: Q2G1.1 RN2A.8 RN2B.10 | length 727.6
  Bottom Layer w9.84: Q2G1.1@-4613.39,-948.23 Q2G1.1@-4603.94,-948.23 ; RN2A.8@-4458.93,-830.12 -4458.93,-831.59 -4476.56,-849.22 -4504.93,-849.22 Q2G1.1@-4603.94,-948.23 ; RN2B.10@-4458.66,-1411.42 -4458.66,-1093.5 Q2G1.1@-4603.94,-948.23
DIG3_SEGB: Q3B1.1 RN3A.3 RN3B.15 | length 1200.5
  Bottom Layer w9.84: RN3A.3@-5738.19,-196.85 -5777.48,-196.85 -5797.24,-216.61 -5797.24,-305.12 -5418.58,-683.78 -5324.92,-683.78 -5300.04,-708.66 RN3B.15@-5271.65,-708.66 -5246.06,-708.66 -5236.22,-698.82 -5236.22,-669.29 -5226.38,-659.45 -5048.35,-659.45 -5026.77,-681.03 Q3B1.1@-5026.77,-741.54
GND: C1.2 C2.2 C3.2 C4A.1 C4B.1 C4C.1 C4D.2 D6.2 J1.7 J1.9 Q0A1.2 Q0B1.2 Q0C1.2 Q0D1.2 Q0E1.2 Q0F1.2 Q0G1.2 Q1A1.2 Q1B1.2 Q1C1.2 Q1D1.2 Q1E1.2 Q1F1.2 Q1G1.2 Q2A1.2 Q2B1.2 Q2C1.2 Q2D1.2 Q2E1.2 Q2F1.2 Q2G1.2 Q3B1.2 Q3D1.2 Q4.2 Q5.2 R10.1 R12.1 RN0B.1 RN0B.2 RN0B.3 RN0B.4 RN0B.5 RN0B.6 RN0B.7 RN1B.1 RN1B.2 RN1B.3 RN1B.4 RN1B.5 RN1B.6 RN1B.7 RN2B.1 RN2B.2 RN2B.3 RN2B.4 RN2B.5 RN2B.6 RN2B.7 RN3B.2 RN3B.3 TP8.1 TP9.1 U0.8 U1.8 U2.8 U3.8 U4.1 | length 1755.3
  Top Layer w16: v1(-4251.97,-620.08) v1(-4251.97,-777.56) -4251.97,-836.61 v1(-4192.91,-895.67) -4192.91,-1053.15 v1(-4222.44,-1082.68) ; v1(-3930,-2165) -3719.45,-2165 -3714.72,-2169.73 v1(-3713.09,-2169.73) ; v1(-2322.83,-1092.52) v1(-2322.83,-944.88) -2322.83,-652.79 -2303.15,-633.11 v1(-2303.15,-631.48) ; v1(-748.03,-1092.52) v1(-748.03,-944.88) -747.8,-944.65 -747.8,-767.95 v1(-747.56,-767.72) ; v1@-748.03,-767.72 v1(-748.03,-590.55)
  Bottom Layer w16: C4C.1@-4246.93,-434.1 C4C.1@-4246.4,-434.64 ; C4B.1@-2364.96,-376.97 C4B.1@-2363.16,-375.16 ; -757.87,-377.95 -753.94,-374.02 ; R10.1@-143.9,-220.47 -143.11,-219.69 -143.11,-164.96 Q4.2@-142.32,-164.17
  other v1: -1879.92,-2942.91 -1850.39,-2942.91 -1820.87,-2942.91 -1879.92,-2913.39 -1850.39,-2913.39 -1820.87,-2913.39 -1879.92,-2883.86 -1850.39,-2883.86 -1820.87,-2883.86 -1879.92,-2854.33 -1850.39,-2854.33 -1820.87,-2854.33 -1850.39,-2824.8 -1820.87,-2824.8 -1879.92,-2823.35 -1879.92,-2352.36 -1850.39,-2352.36 -1820.87,-2352.36 -1879.92,-2322.83 -1850.39,-2322.83 -1820.87,-2322.83 -1879.92,-2293.31 -1850.39,-2293.31 -1820.87,-2293.31 -1879.92,-2263.78 -1850.39,-2263.78 -1820.87,-2263.78 -2322.83,-767.72
LED_Colons: Q3D1.1 RN3A.4 RN3B.14 | length 1397.6
  Bottom Layer w9.84: -5826.77,-206.69 -5797.24,-177.17 RN3A.4@-5738.19,-177.17 ; -5423.23,-728.35 -5403.54,-748.03 -5319.72,-748.03 -5300.04,-728.35 RN3B.14@-5271.65,-728.35 -5246.06,-728.35 -5236.22,-738.19 -5236.22,-885.83 -5216.54,-905.51 -5039.37,-905.51 -5026.77,-918.11 Q3D1.1@-5026.77,-948.23
  Bottom Layer w10: -5826.77,-206.69 -5826.77,-324.8 -5423.23,-728.35
NetD0A1_1: D0A1.1 R0A2.1 | length 99
  Top Layer w16: v1(-1141.73,-255.91) D0A1.1@-1092.71,-255.91
  Bottom Layer w16: R0A2.1@-1190.94,-254.13 -1143.5,-254.13 v1(-1141.73,-255.91)
NetD0A1_2: D0A1.2 D0A2.1 | length 267.7
  Top Layer w9.84: D0A1.2@-1029.72,-255.91 D0A2.1@-762,-255.91
NetD0A2_2: D0A2.2 Q0A1.3 | length 411.9
  Top Layer w16: v1(-699.01,-330.71) D0A2.2@-699.01,-255.91
  Bottom Layer w16: v1(-699.01,-330.71) -699.01,-388.2 -607.48,-479.73 Q0A1.3@-607.48,-629.92
NetD0B1_1: D0B1.1 R0B2.1 | length 376.3
  Top Layer w16: v1(-452.76,-511.81) -423.81,-511.81 -423.68,-511.94 -414.44,-511.94 D0B1.1@-406.69,-519.69
  Bottom Layer w16: R0B2.1@-620.08,-254.13 -620.08,-344.49 v1(-452.76,-511.81)
NetD0B1_2: D0B1.2 D0B2.1 | length 309.8
  Top Layer w16: D0B2.1@-406.69,-892.52 D0B1.2@-406.69,-582.68
NetD0B2_2: D0B2.2 D0B3.1 | length 320.1
  Top Layer w16: D0B3.1@-406.69,-1275.59 D0B2.2@-406.69,-955.51
NetD0B3_2: D0B3.2 Q0B1.3 | length 648.1
  Top Layer w16: v1(-551.18,-830.71) -549.56,-830.71 -525.78,-854.48 -523.47,-854.48 -511.81,-866.14 -511.81,-1250 -430.98,-1330.83 -414.44,-1330.83 D0B3.2@-406.69,-1338.58
  Bottom Layer w16: Q0B1.3@-607.48,-807.09 -570.87,-807.09 -552.33,-825.62 -552.33,-829.56 v1(-551.18,-830.71)
NetD0C1_1: D0C1.1 R0C2.1 | length 1736.5
  Top Layer w16: D0C1.1@-406.69,-1929.13 v1(-406.69,-1889.76)
  Bottom Layer w16: R0C2.1@-511.81,-254.13 -511.81,-301.56 -385,-428.37 -385,-1868.07 v1(-406.69,-1889.76)
NetD0C1_2: D0C1.2 D0C2.1 | length 299.2
  Top Layer w16: D0C2.1@-406.69,-2307.09 D0C1.2@-406.69,-2007.87
NetD0C2_2: D0C2.2 D0C3.1 | length 315
  Top Layer w16: D0C3.1@-406.69,-2685.04 D0C2.2@-406.69,-2370.08
NetD0C3_2: D0C3.2 Q0C1.3 | length 1908.3
  Top Layer w16: v1(-570.87,-1020.28) -570.87,-2679.13 -501.97,-2748.03 D0C3.2@-406.69,-2748.03
  Bottom Layer w16: Q0C1.3@-607.48,-984.25 -598.03,-984.25 -572.01,-1010.27 -572.01,-1019.13 v1(-570.87,-1020.28)
NetD0D1_1: D0D1.1 R0D2.1 | length 3086.4
  Top Layer w16: D0D1.1@-687.76,-3011.81 -452.76,-3011.81 -314.96,-2874.02 v1(-314.96,-2145.67)
  Bottom Layer w16: R0D2.1@-403.54,-254.13 -403.54,-302.91 -314.96,-391.5 v1(-314.96,-2145.67)
NetD0D1_2: D0D1.2 D0D2.1 | length 267.7
  Top Layer w16: D0D2.1@-1018.46,-3011.81 D0D1.2@-750.75,-3011.81
NetD0D2_2: D0D2.2 Q0D1.3 | length 2248.5
  Top Layer w16: D0D2.2@-1081.46,-3011.81 -1081.46,-2961.38 -1043.31,-2923.23 -698.82,-2923.23 -610.24,-2834.65 v1(-610.24,-1220.47)
  Bottom Layer w16: v1(-610.24,-1220.47) -607.48,-1217.72 Q0D1.3@-607.48,-1161.42
NetD0E1_1: D0E1.1 R0E2.1 | length 1721.3
  Top Layer w16: v1(-1446.85,-1751.97) -1445.7,-1753.12 -1445.7,-1756.26 -1390.94,-1811.02 D0E1.1@-1390.94,-1929.13
  Bottom Layer w16: R0E2.1@-1511.94,-257.94 -1496.06,-273.82 -1496.06,-1702.76 v1(-1446.85,-1751.97)
NetD0E1_2: D0E1.2 D0E2.1 | length 315
  Top Layer w16: D0E2.1@-1390.94,-2307.09 D0E1.2@-1390.94,-1992.13
NetD0E2_2: D0E2.2 D0E3.1 | length 295.3
  Top Layer w16: D0E3.1@-1390.94,-2677.17 D0E2.2@-1390.94,-2381.89